# Altium PCB RFSoC-AMC.PcbDoc (part 8 of 12)
Units mm, origin at the board's own origin, x right, y up, seen from the top; angles counter-clockwise.
Board outline 180.55 x 148.45 mm, 10 copper layers (Layer 1, Layer 2, Layer 3, Layer 4, Layer 5, Layer 6, Layer 7, Layer 8, Layer 9, Layer 10), stack 1.544 mm thick; 793 components, 796 nets, 7654 pads, 16 vias.
Unrouted connection lines stored in the file: 2880.
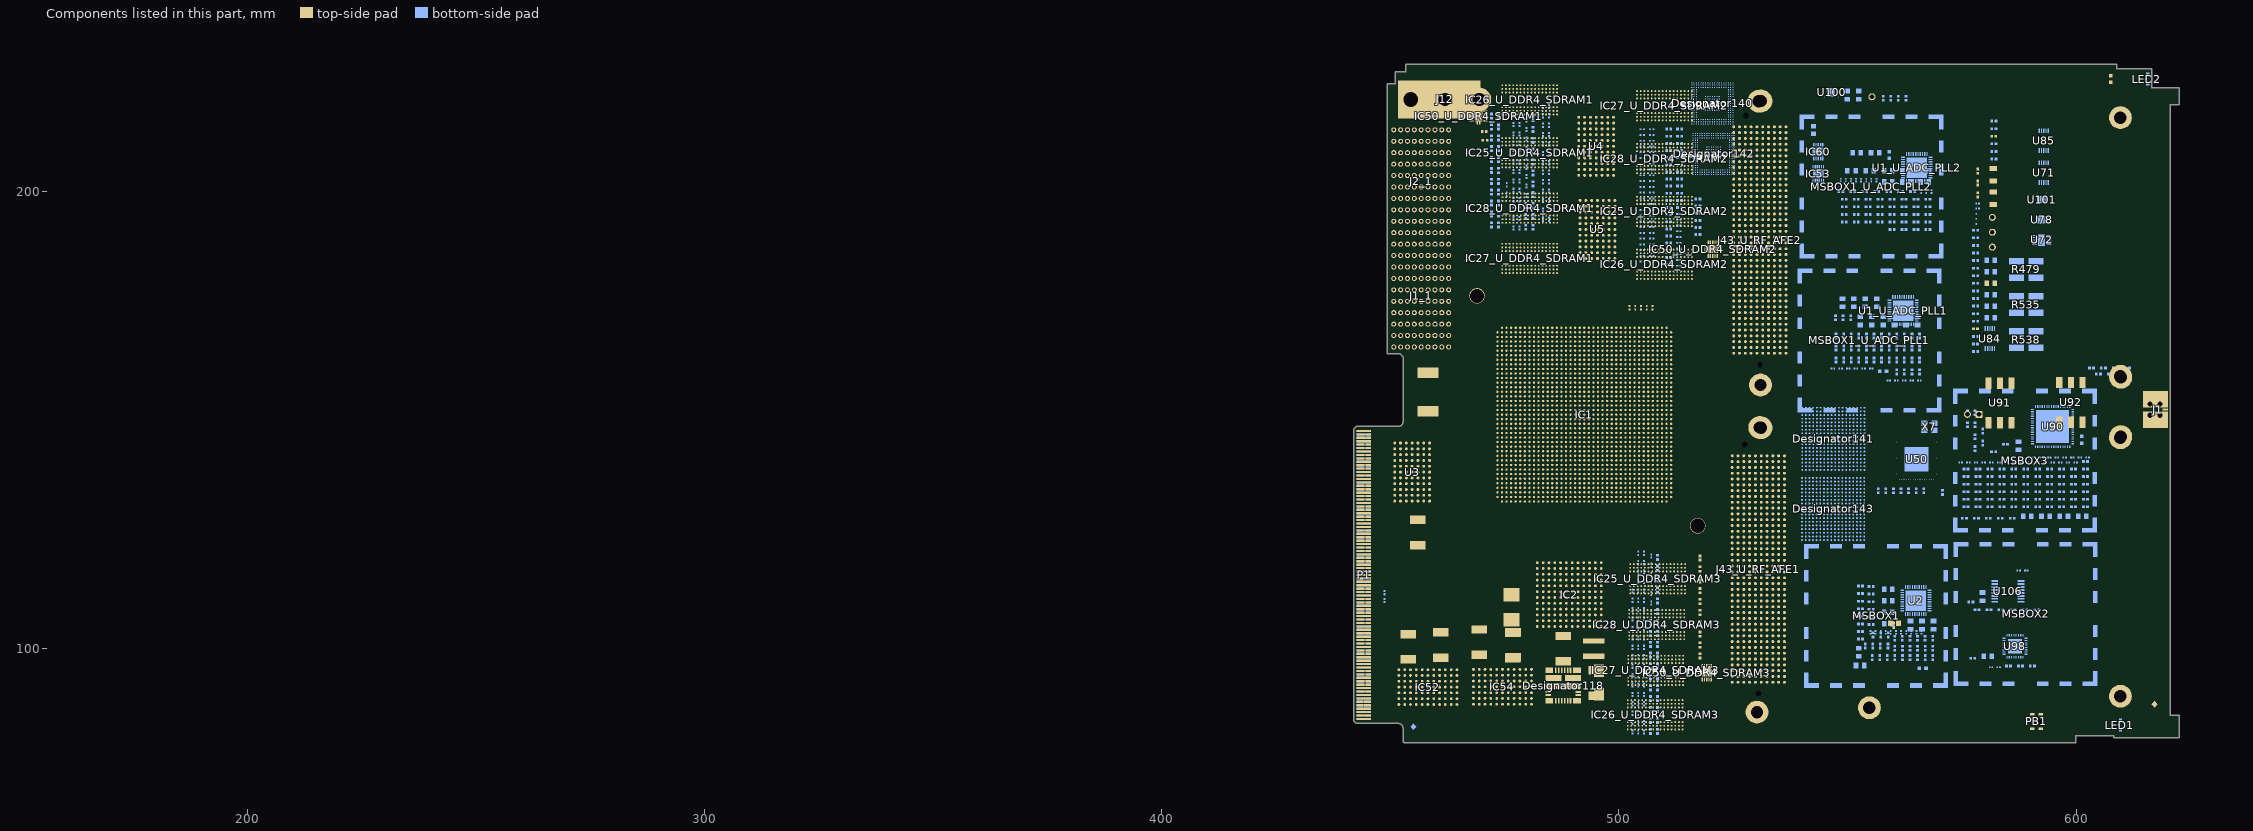
[diagram p16: the components of this part, seen from the top]

## Other copper
Layer 2 (plane layer: these items are gaps in the copper):
  lines w0.254: 163.501,77.779 163.513,91.726 182.55,91.73 182.45,215.08 163.504,215.08 163.501,219.981 177.862,219.981 177.862,219.48 186.101,219.48 186.101,221.081 323,221.081 323,217.529 346,217.529 346,157.68 322.701,157.68 322.702,99.83 325.002,97.842 325.002,85.33 322.702,83.33 322.701,72.579 177.1,72.579 177.1,73.58 169.5,73.58 169.5,77.779 163.501,77.779 ; 284.951,174.306 286.033,174.307 286.025,185.532 284.953,185.536 284.951,185.468 284.951,174.306
Layer 4 (plane layer: these items are gaps in the copper):
  lines w0.254: 163.501,77.779 163.513,91.726 182.55,91.73 182.45,215.08 163.504,215.08 163.501,219.981 177.862,219.981 177.862,219.48 186.101,219.48 186.101,221.081 323,221.081 323,217.529 346,217.529 346,157.68 322.701,157.68 322.702,99.83 325.002,97.842 325.002,85.33 322.702,83.33 322.701,72.579 177.1,72.579 177.1,73.58 169.5,73.58 169.5,77.779 163.501,77.779
Layer 6 (plane layer: these items are gaps in the copper):
  lines w0.254: 163.501,77.779 163.513,91.726 182.55,91.73 182.45,215.08 163.504,215.08 163.501,219.981 177.862,219.981 177.862,219.48 186.101,219.48 186.101,221.081 323,221.081 323,217.529 346,217.529 346,157.68 322.701,157.68 322.702,99.83 325.002,97.842 325.002,85.33 322.702,83.33 322.701,72.579 177.1,72.579 177.1,73.58 169.5,73.58 169.5,77.779 163.501,77.779
Layer 8 (plane layer: these items are gaps in the copper):
  lines w0.254: 163.501,77.779 163.513,91.726 182.55,91.73 182.45,215.08 163.504,215.08 163.501,219.981 177.862,219.981 177.862,219.48 186.101,219.48 186.101,221.081 323,221.081 323,217.529 346,217.529 346,157.68 322.701,157.68 322.702,99.83 325.002,97.842 325.002,85.33 322.702,83.33 322.701,72.579 177.1,72.579 177.1,73.58 169.5,73.58 169.5,77.779 163.501,77.779
Layer 9 (plane layer: these items are gaps in the copper):
  lines w0.254: 186.3,88.98 182.55,88.98 182.55,218.73 187.05,218.73 187.05,220.98 282.3,220.98 282.349,200.68 287.85,200.68 287.85,197.93 289.85,197.93 289.85,202.43 304.35,202.43 304.35,194.68 278.1,194.68 278.1,200.68 274.85,200.68 274.85,217.43 272,217.43 232.8,217.48 232.8,211.48 ; 233.05,211.23 233.05,217.23 274.485,217.23 274.6,200.43 277.85,200.43 277.85,194.43 303.6,194.43 303.599,183.93 300.6,183.93 300.6,180.43 300.857,180.43 300.841,157.93 297.35,157.93 297.35,145.43 289.1,145.43 289.107,147.135 278.35,147.18 278.35,164.43 296.3,164.48 296.3,186.23 300.05,186.23 300.05,190.98 290.7,190.98 290.7,189.98 284.35,189.945 284.35,188.93 270.35,188.93 270.35,205.93 265.85,205.93 265.85,208.18 259.35,208.18 259.35,209.68 242.439,209.795 ; 238,86.23 258.75,86.23 258.75,150.73 238.75,150.73 ; 238.6,150.98 258.8,150.98 258.8,209.48 242.8,209.48 ; 163.501,77.779 163.513,91.726 182.55,91.73 182.45,215.08 163.504,215.08 163.501,219.981 177.862,219.981 177.862,219.48 186.101,219.48 186.101,221.081 323,221.081 323,217.529 346,217.529 346,157.68 322.701,157.68 322.702,99.83 325.002,97.842 325.002,85.33 322.702,83.33 322.701,72.579 177.1,72.579 177.1,73.58 169.5,73.58 169.5,77.779 163.501,77.779 ; 177.55,85.98 259,85.98 259,194.33 266.5,194.33 266.5,192.48 261.05,192.48 261.1,184.18 264.35,184.18 264.35,168.187 267.55,168.23 267.55,150.48 267.5,150.48 267.5,138.73 267.55,138.73 267.55,110.73 266.2,110.73 266.2,105.73 267.55,105.73 267.6,77.93 313.1,77.93 313.1,73.43 177.614,73.43 177.55,85.98 ; 259.05,194.53 266.75,194.53 266.75,192.18 261.296,192.18 261.4,186.53 264.739,183.33 264.9,183.33 264.85,168.68 267.85,168.68 267.8,150.23 267.75,150.23 267.75,138.98 267.8,138.98 267.8,110.48 266.45,110.48 266.45,105.98 267.8,105.98 267.8,78.23 290.05,78.23 290.05,88.73 276.307,88.73 276.35,110.43 287.1,110.43 287.1,131.43 292.35,131.43 292.35,134.18 294.6,136.93 303.1,136.93 303.1,139.18 310.1,139.18 310.1,141.93 315.35,141.93 315.35,151.93 322.527,151.93 322.495,157.757 308.35,157.683 308.35,157.68 297.6,157.68 297.6,145.43 289.1,145.293 289.1,140.68 285.6,136.68 277.909,136.695 277.909,164.48 273.347,164.48 273.347,185.18 269.6,185.18 269.6,189.23 270,189.23 270.102,205.68 265.6,205.68 265.6,207.93 259.099,207.93 259.05,194.53 ; 269.85,185.53 269.85,188.68 284.6,188.68 284.6,189.68 290.6,189.68 290.7,178.329 286.9,178.329 286.9,169.33 284.8,169.33 284.1,168.63 282.64,168.63 282.2,168.23 282.2,167.83 279.3,167.83 279.3,164.78 273.7,164.78 273.7,174.73 279,174.73 279,171.03 280.2,171.03 280.2,169.33 282.7,169.33 284.7,171.33 284.7,174.264 282.6,176.002 282.6,186.43 277.1,186.43 277.1,185.53 269.85,185.53 ; 273.75,174.93 273.75,185.13 274,185.13 274,185.33 277,185.33 277,174.93 273.75,174.93 ; 276.35,98.93 276.35,109.93 287.35,109.93 287.35,98.93 276.35,98.93 ; 276.6,88.93 276.6,98.43 289.85,98.43 289.85,88.93 276.6,88.93 ; 277.3,175.13 277.354,185.37 278.85,185.373 278.85,186.233 282.359,186.23 282.4,181.63 282.4,175.967 284.8,173.868 284.8,171.43 282.8,169.43 280.5,169.43 280.5,171.13 279.4,171.13 279.4,175.13 277.3,175.13 ; 278.35,136.93 285.6,136.93 288.85,140.644 288.85,146.93 278.35,146.93 278.35,136.93 ; 279.6,164.48 296.05,164.48 296.05,186.48 299.8,186.48 299.8,190.73 290.95,190.73 291.002,178.23 287.2,178.23 287.2,177.13 287.253,169.23 285.129,169.23 284.329,168.53 282.944,168.53 282.5,168.13 282.5,167.705 279.6,167.68 279.6,164.48 ; 282.55,220.98 282.599,200.93 288.1,200.93 288.1,198.094 289.55,198.23 289.55,202.73 298.05,202.73 298.1,216.93 299.35,218.18 312.55,218.23 312.6,181.68 309.35,181.68 309.35,180.93 303.6,180.93 303.6,183.68 300.85,183.68 300.85,180.68 301.1,180.68 301.1,157.935 313.8,157.98 313.8,157.78 345.835,157.78 346.145,217.23 322.8,217.23 322.8,220.98 282.55,220.98 ; 287.55,121.73 287.55,131.23 292.6,131.18 292.6,134.18 294.6,136.68 303.1,136.68 303.1,127.68 301.35,127.68 301.35,134.68 294.35,134.68 294.35,121.678 287.55,121.73 ; 287.6,98.93 287.6,121.43 299.55,121.43 299.55,98.93 287.6,98.93 ; 290.6,78.43 290.6,98.43 322.6,98.43 322.6,72.93 313.6,72.93 313.6,78.43 290.6,78.43 ; 294.6,121.68 294.6,134.43 301.1,134.43 301.1,127.68 299.6,127.68 299.6,121.68 294.6,121.68 ; 298.35,202.68 298.35,210.93 310.1,210.93 310.1,185.18 306.6,185.18 306.6,181.18 303.85,181.18 303.85,194.43 304.6,194.43 304.6,202.68 298.35,202.68 ; 298.35,211.18 298.35,216.93 299.35,217.93 312.35,217.93 312.35,181.93 309.1,181.93 309.1,181.18 306.85,181.18 306.85,184.93 310.35,184.93 310.35,211.18 298.35,211.18 ; 299.85,98.93 322.717,98.93 322.345,116.43 313.853,116.43 313.8,111.43 309.348,111.43 309.178,129.43 315.35,129.43 315.35,141.43 310.35,141.43 310.35,138.93 303.35,138.93 303.35,127.43 299.85,127.43 299.85,98.93 ; 309.35,111.68 309.35,128.93 315.6,128.93 315.6,151.939 322.6,151.98 322.6,116.68 313.6,116.68 313.6,111.68 309.35,111.68

## Silkscreen, mask and mechanical layers (free items; w line width, h text height)
Top Overlay:
  lines w0.1: 590.771,84.679 591.896,84.679 ; 591.321,84.079 591.321,85.304
  text "P4 LED" at 605.746,219.104 h1
  text "MASTER" at 506.627,81.553 h1 r180
Bottom Overlay:
  text "P3 LED" at 615.946,220.079 h1
  text "P2 LED" at 604.771,85.804 h1
Bottom Solder:
  region: 602.321,227.629 483.821,227.629 483.821,226.129 602.321,226.129
  region: 484.321,227.629 454.321,227.629 454.321,226.129 484.321,226.129
Mechanical 1:
  lines w0.05: 452.771,152.429 452.771,152.379 ; 453.371,226.167 453.371,227.879 608.971,227.879 608.971,226.879 616.571,226.879 616.571,222.679 622.571,222.679 622.571,218.919 620.571,218.919 620.571,148.994 620.571,148.669 620.571,85.454 622.571,85.454 622.571,80.479 608.211,80.479 608.211,80.979 599.971,80.979 599.971,79.379 453.271,79.379 cw(c453.271,79.879) 452.771,79.879 452.771,82.629 ccw(c451.771,82.629) 451.771,83.629 442.571,83.629 441.971,84.229 441.971,148.029 ; 453.371,226.183 453.355,226.167 451.08,226.167 451.08,223.567 449.271,223.567 449.271,164.529 451.971,164.529 452.071,164.529 452.771,163.829 452.771,152.379 ; 441.971,148.029 442.571,148.629 451.771,148.629 ccw(c451.771,149.629) 452.771,149.629 452.771,152.379 ; 441.971,148.029 441.971,148.029
  lines w0.127: 477.658,101.856 477.76,101.729 477.877,101.653 478.029,101.627 478.182,101.678 478.301,101.78 478.385,101.958 478.403,102.161 478.37,102.364 478.283,102.491 478.166,102.593 478.047,102.618 477.928,102.593 477.775,102.491 477.826,103.151 478.283,103.151 ; 480.295,101.627 480.701,101.627 ; 480.295,102.847 480.498,103.151 480.498,101.627 ; 508.133,206.314 509.134,206.314 ; 515.959,196.364 516.365,196.364 ; 515.959,197.584 516.162,197.888 516.162,196.364 ; 544.904,220.395 547.236,220.395 ; 546.705,222.034 547.155,222.034 ; 548.755,222.034 550.754,221.533 ; 476.711,102.44 476.559,102.364 476.457,102.212 476.424,102.034 476.457,101.856 476.541,101.729 476.678,101.653 476.797,101.627 476.914,101.653 477.051,101.729 477.135,101.856 477.168,102.034 477.135,102.212 477.033,102.364 476.881,102.44 ; 476.711,102.44 476.881,102.44 ; 476.711,102.44 476.609,102.491 476.525,102.618 476.492,102.796 476.541,102.974 476.66,103.101 476.797,103.151 476.932,103.101 477.051,102.974 477.1,102.796 477.067,102.618 476.983,102.491 476.881,102.44 ; 476.711,102.44 476.881,102.44 ; 547.147,220.532 547.182,220.667 ; 547.147,220.532 547.134,220.395 547.147,220.532 ; 547.147,220.532 547.182,220.667 ; 547.155,222.034 545.156,222.534 545.156,221.533 547.155,222.034 ; 547.182,220.667 547.241,220.794 ; 547.182,220.667 547.241,220.794 ; 547.241,220.794 547.322,220.908 ; 547.241,220.794 547.322,220.908 ; 547.322,220.908 547.421,221.007 ; 547.322,220.908 547.421,221.007 ; 547.421,221.007 547.536,221.086 ; 547.421,221.007 547.536,221.086 ; 547.536,221.086 547.663,221.147 ; 547.536,221.086 547.663,221.147 ; 547.663,221.147 547.795,221.183 ; 547.663,221.147 547.795,221.183 ; 547.795,221.183 547.934,221.195 ; 547.795,221.183 547.934,221.195 ; 547.934,221.195 548.074,221.183 ; 547.934,221.195 548.074,221.183 ; 548.074,221.183 548.209,221.147 ; 548.074,221.183 548.209,221.147 ; 548.209,221.147 548.336,221.086 ; 548.209,221.147 548.336,221.086 ; 548.336,221.086 548.45,221.007 ; 548.336,221.086 548.45,221.007 ; 548.45,221.007 548.546,220.908 ; 548.45,221.007 548.546,220.908 ; 548.546,220.908 548.628,220.794 ; 548.546,220.908 548.628,220.794 ; 548.628,220.794 548.686,220.667 ; 548.628,220.794 548.686,220.667 ; 548.686,220.667 548.722,220.532 ; 548.686,220.667 548.722,220.532 ; 548.722,220.532 548.734,220.395 548.722,220.532 ; 479.231,101.602 479.231,101.653 479.264,101.678 479.299,101.653 479.299,101.602 479.264,101.577 479.231,101.602 ; 491.936,117.845 491.936,122.097 491.936,117.845 ; 590.195,171.093 592.194,171.594 592.194,170.593 590.195,171.093 ; 590.195,181.042 592.194,181.543 592.194,180.545 590.195,181.042
User Layer 19:
  lines w0.1: 190.4,98.48 190.4,103.23 208.05,103.23 208.05,105.98 ; 209.3,105.98 209.3,125.23 ; 210.55,99.98 210.55,125.23 ; 551.52,160.582 552.77,160.582 ; 553.137,224.584 554.387,224.584 ; 580.461,204.138 581.961,202.638 581.961,183.988
RTM_template:
  drawing of 20734 lines, arcs and shapes, not listed
  text "J6" at 585.635,387.411 h1.2 r270
RTM_CON:
  drawing of 18272 lines, arcs and shapes, not listed
  text "D" at 174.2,225.48 h0.8
  text "B" at 176.2,225.48 h0.8
  text "C" at 174.2,221.58 h0.8
  text "A" at 176.2,221.58 h0.8
Logo:
  drawing of 2015 lines, arcs and shapes, not listed